# Altium PCB PCB1.PcbDoc (part 2 of 2) (continued)
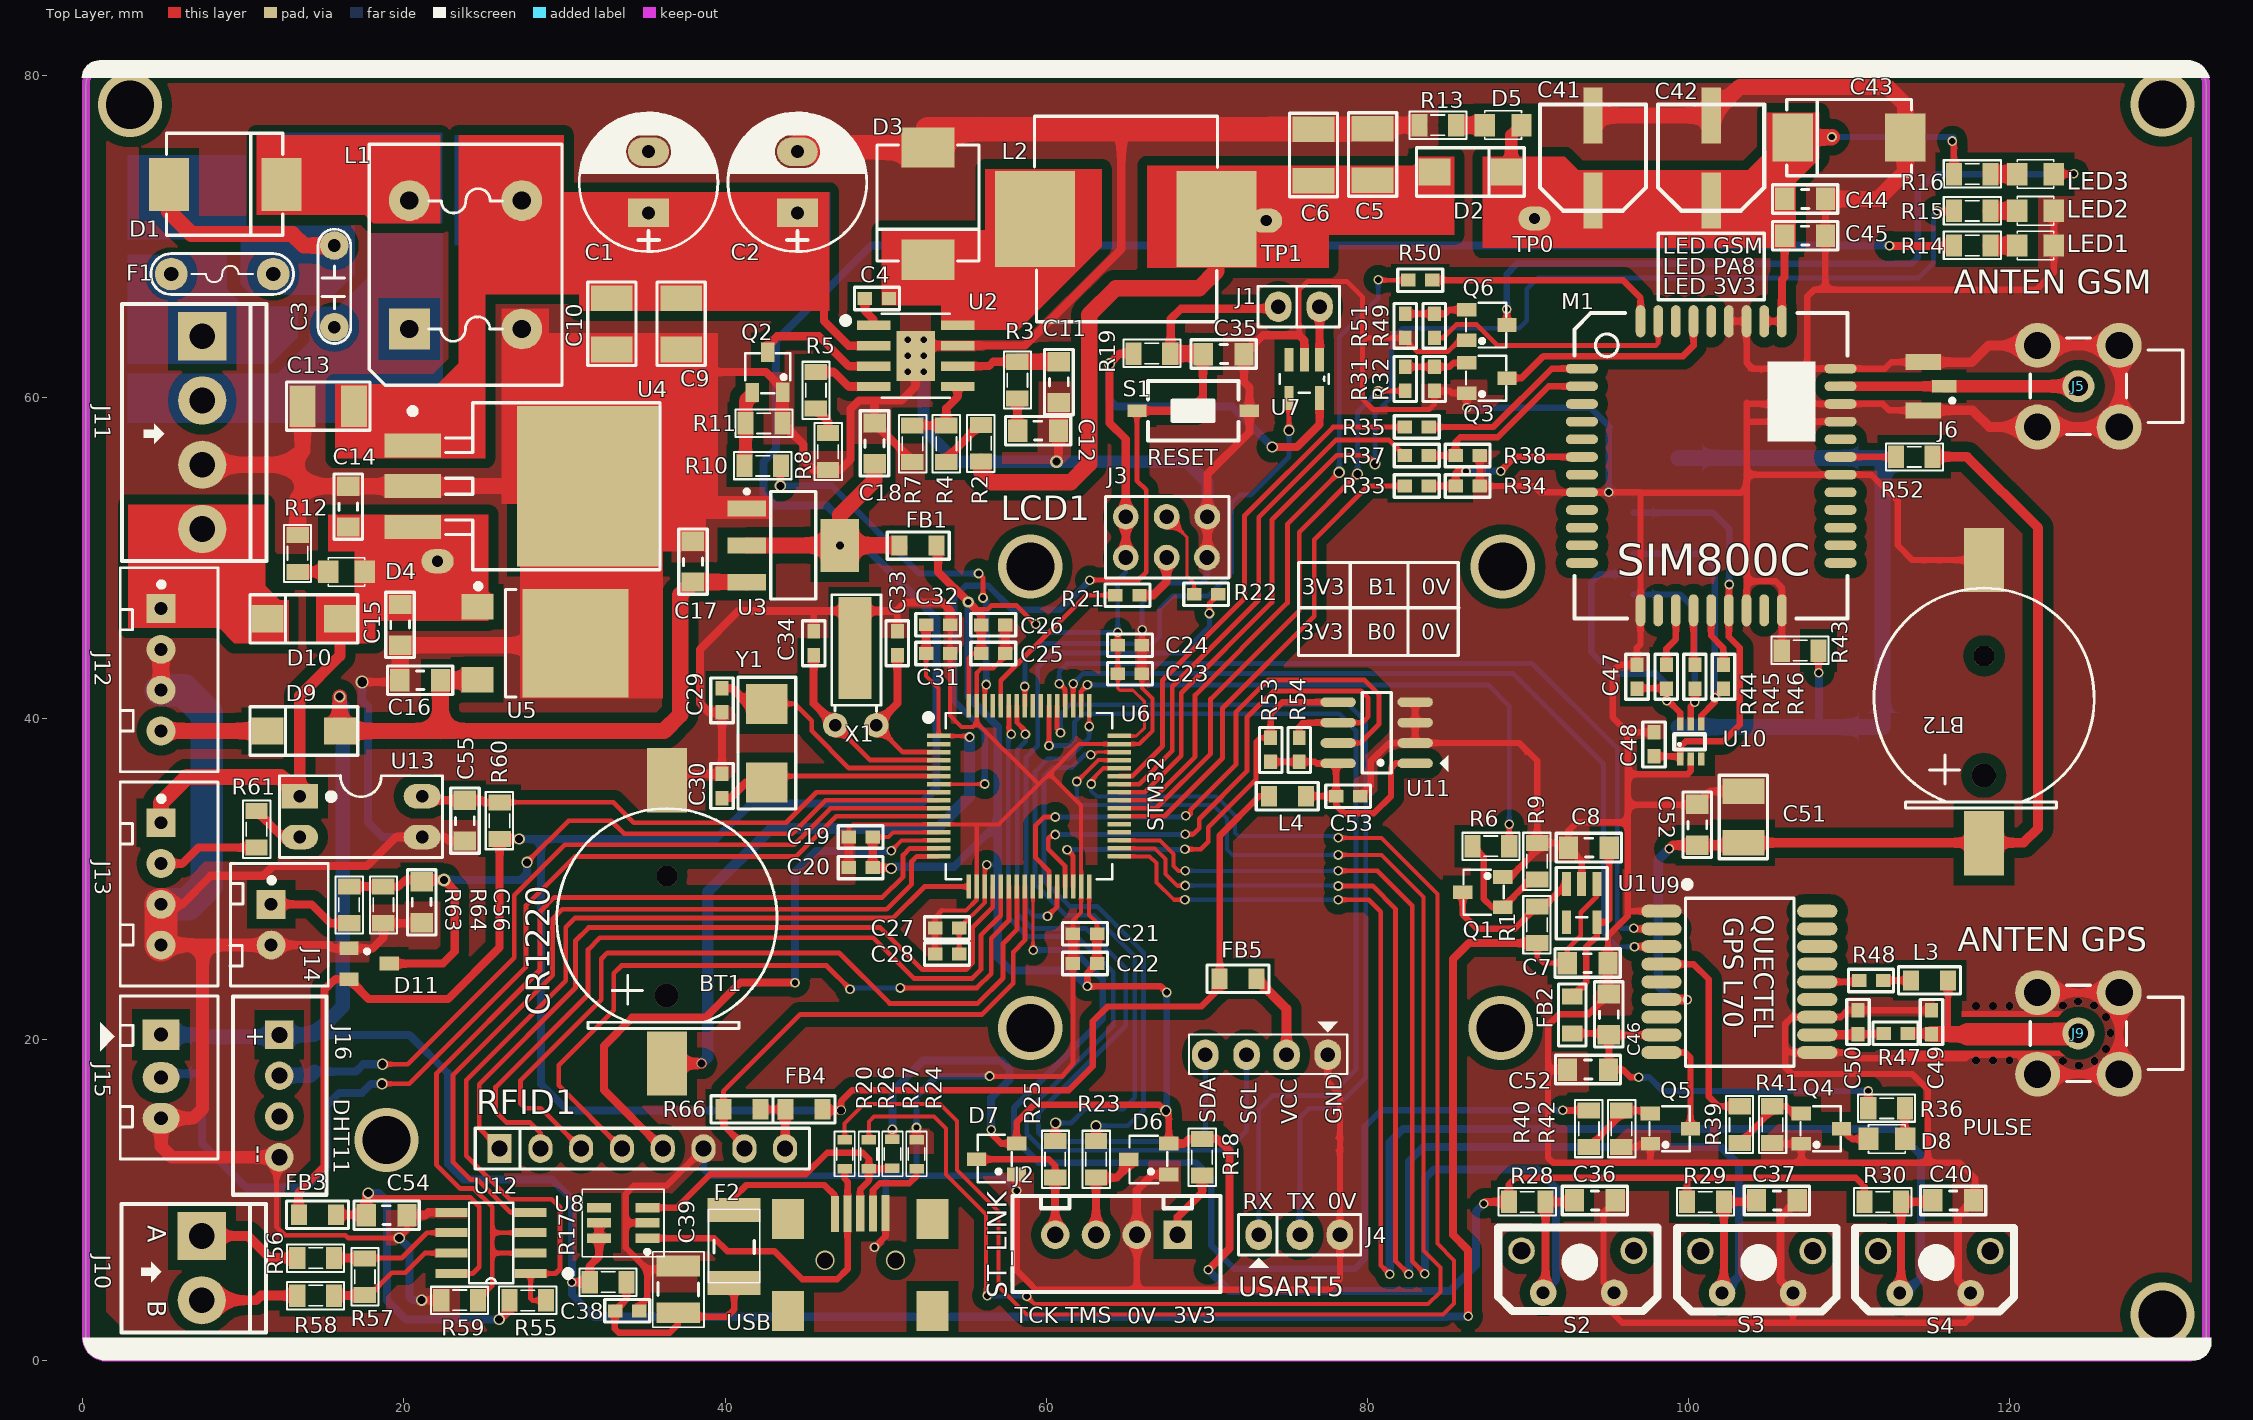
[diagram p0: Top Layer view]
## Nets (pads, with @x,y where several pads share a name; then routed paths per layer and width w, separated by ;. In a path a pad name is that pad's centre, name@x,y a point inside that pad or via, vN(x,y) a via of type N, cw(c..) or ccw(c..) an arc to the next point about the centre after c; other vN are vias at no path point) (continued)
NetC4_1: C4.1 U2.1 | length 1.9
  Top Layer w0.508: C4.1@48.704,66.149 48.704,65.368 49.243,64.829 U2.1@49.243,64.475
NetC4_2: C4.2 D3.2 L2.1 U2.8 | length 17.1
  Top Layer w0.508: C4.2@50.204,66.149 52.629,66.149 ; D3.2@52.629,68.555 52.629,66.149 ; U2.8@54.475,64.475 54.475,65.438 53.765,66.149 52.629,66.149
  Top Layer w1.524: D3.2@52.629,68.555 59.298,68.555 L2.1@59.298,71.095
NetC11_2: C11.2 R3.2 U2.6 | length 6.4
  Top Layer w0.508: U2.6@54.475,61.935 56.423,61.935 56.693,62.205 R3.2@58.191,62.205
  Top Layer w1.016: R3.2@58.191,62.205 C11.2@60.782,62.205
NetC12_2: C12.2 R3.1 | length 1.9
  Top Layer w0.508: R3.1@58.191,59.919 58.191,58.064 C12.2@58.217,58.039
NetC29_1: C29.1 U6.5 Y1.2 | length 15.9
  Top Layer w0.3: Y1.2@42.596,40.906 44.337,40.906 45.39,39.853 45.39,39.218 47.704,36.904 U6.5@53.291,36.904
  Top Layer w0.508: C29.1@39.802,41.873 40.449,41.873 41.416,40.906 Y1.2@42.596,40.906
NetC30_1: C30.1 U6.6 Y1.1 | length 14.2
  Top Layer w0.3: Y1.1@42.596,36.006 42.994,36.404 U6.6@53.291,36.404
  Top Layer w0.508: C30.1@39.675,35.039 C30.1@39.802,35.039 40.322,35.039 41.289,36.006 Y1.1@42.596,36.006
NetC33_1: C33.1 U6.3 X1.1 | length 9.5
  Top Layer w0.3: X1.1@49.378,39.596 X1.1@49.403,39.571 51.07,37.904 U6.3@53.291,37.904
  Top Layer w0.5: X1.1@49.378,39.596 50.724,40.942 C33.1@50.724,43.929
NetC34_1: C34.1 U6.4 X1.2 | length 12.2
  Top Layer w0.3: X1.2@46.838,39.596 X1.2@46.863,39.571 49.03,37.404 U6.4@53.291,37.404
  Top Layer w0.5: C34.1@45.517,43.929 45.517,40.917 X1.2@46.838,39.596
NetC49_2: C49.2 J9.1 L3.1 R47.1 | length 14
  Top Layer w0.4: C49.2@115.063,20.389 C49.2@115.113,20.339 ; L3.1@116.143,23.681 116.143,20.376 116.18,20.339
  Top Layer w0.6: R47.1@113.627,20.389 C49.2@115.063,20.389
  Top Layer w1: C49.2@115.113,20.339 116.18,20.339 117.369,20.339
  Top Layer w1.4: 117.369,20.339 124.207,20.339 J9.1@124.257,20.389
NetC50_2: C50.2 R47.2 U9.11 | length 4.2
  Top Layer w0.4: C50.2@110.498,20.297 C50.2@110.541,20.339 112.077,20.339 R47.2@112.127,20.389
  Top Layer w0.55: U9.11@108.001,20.297 C50.2@110.498,20.297
NetD1_2: D1.2 L1.4 | length 8.4
  Top Layer w1: D1.2@12.37,73.254 19.33,73.254 L1.4@20.341,72.243
NetD4_2: D4.2 R12.2 | length 2.2
  Top Layer w0.635: R12.2@13.056,49.124 13.057,49.122 D4.2@15.28,49.122
NetD5_2: D5.2 R13.2 | length 1.8
  Top Layer w1.016: R13.2@85.522,76.937 D5.2@87.3,76.937
NetD6_3: D6.3 J2.3 R23.1 | length 6.3
  Top Layer w0.5: J2.3@63.094,7.849 R23.1@63.094,11.405 64.389,11.405 65.126,12.141 D6.3@65.126,12.548
NetD7_3: D7.3 J2.4 R25.1 | length 9.4
  Top Layer w0.4: D7.3@55.651,12.548 60.147,12.548 60.554,12.141 R25.1@60.554,11.405
  Top Layer w0.5: J2.4@60.554,7.849 R25.1@60.554,11.405
NetD8_1: D8.1 R36.1 | length 1.9
  Top Layer w0.4: R36.1@113.462,15.723 113.462,13.833 D8.1@113.477,13.818
NetD8_2: D8.2 Q4.2 | length 1.9
  Top Layer w0.4: Q4.2@109.505,14.453 110.14,13.818 D8.2@111.191,13.818
NetF2_1: F2.1 USB.1 | length 8.8
  Top Layer w0.4: F2.1@40.564,9.387 40.564,10.185 41.326,10.947 46.177,10.947 46.838,10.287 USB.1@46.838,9.144
NetJ1_2: J1.2 U7.1 | length 3.3
  Top Layer w0.508: U7.1@77.013,62.332 J1.2@77.013,65.634
NetJ2_1: J2.1 R18.1 | length 4.3
  Top Layer w0.5: J2.1@68.174,7.849 68.174,8.941 69.698,10.465 R18.1@69.698,11.532
NetJ3_2: J3.2 R21.2 | length 3.6
  Top Layer w0.508: R21.2@65.8,47.671 66.67,47.671 67.488,48.489 J3.2@67.488,50.013
NetJ3_5: J3.5 R22.2 | length 5.5
  Top Layer w0.2: J3.5@67.488,52.553 68.758,51.283 68.758,48.87 69.201,48.427 R22.2@69.201,47.727
NetJ7_7: J7.7 R43.1 | length 47
  Top Layer w0.4: R43.1@108.077,44.221 108.077,42.875 v1(108.102,42.85)
  Bottom Layer w0.4: 108.102,39.536 108.179,39.46
  Bottom Layer w0.5: 108.102,39.536 v1(108.102,42.85)
  Bottom Layer w1: J7.7@99.365,39.46 108.179,39.46 J7.7@112.065,39.46 J7.7@112.065,56.224 J7.7@99.365,56.224
NetL3_2: L3.2 R48.1 | length 1.7
  Top Layer w0.4: R48.1@112.103,23.681 L3.2@113.843,23.681
NetLED1_1: LED1.1 R14.1 | length 1.7
  Top Layer w1: R14.1@118.796,69.444 LED1.1@120.447,69.444
NetLED2_1: LED2.1 R15.1 | length 1.7
  Top Layer w1: R15.1@118.796,71.603 LED2.1@120.447,71.603
NetLED3_1: LED3.1 R16.1 | length 1.7
  Top Layer w1: R16.1@118.796,73.889 LED3.1@120.447,73.889
NetM1_15: M1.15 R44.2 | length 3.6
  Top Layer w0.4: R44.2@98.603,43.347 98.603,44.323 99.197,44.917 M1.15@99.197,46.728
NetM1_16: M1.16 R45.2 | length 3.4
  Top Layer w0.4: M1.16@100.297,46.728 100.297,43.431 R45.2@100.381,43.347
NetM1_17: M1.17 R46.2 | length 3.7
  Top Layer w0.4: M1.17@101.397,46.728 101.397,45.136 102.159,44.374 R46.2@102.159,43.347
NetQ1_2: Q1.2 R1.1 U1.3 | length 9.4
  Top Layer w0.4: Q1.2@85.923,29.185 85.923,27.793 86.819,26.897 89.158,26.897 R1.1@90.557,28.296 90.988,28.296 U1.3@92.385,29.693
NetQ1_3: Q1.3 R6.1 R9.2 | length 7.8
  Top Layer w0.4: R6.1@86.538,32.04 87.224,31.355 87.224,28.768 87.757,28.235 Q1.3@88.423,28.235 90.146,29.958 R9.2@90.557,29.958
NetQ2_2: Q2.2 U2.3 | length 8
  Top Layer w0.508: Q2.2@42.647,62.794 42.647,63.207 43.231,63.792 45.835,63.792 47.692,61.935 U2.3@49.243,61.935
NetQ2_3: Q2.3 R10.2 R11.2 | length 4.1
  Top Layer w0.762: R10.2@41.275,56.363 R11.2@41.275,58.369 41.275,59.873 Q2.3@41.697,60.294
NetQ3_3: Q3.3 R31.2 R32.2 | length 3.9
  Top Layer w0.4: R31.2@82.347,61.889 R32.2@84.16,61.889 85.104,61.889 85.354,62.139 Q3.3@86.177,62.139
NetQ4_3: Q4.3 R39.2 R41.2 | length 5.1
  Top Layer w0.4: R39.2@103.175,13.564 105.207,15.596 R41.2@105.207,15.85 106.045,15.85 106.492,15.403 Q4.3@107.005,15.403
NetQ5_3: Q5.3 R40.2 R42.2 | length 5
  Top Layer w0.4: R40.2@93.777,13.31 95.809,15.342 R42.2@95.809,15.596 97.414,15.596 Q5.3@97.607,15.403
NetQ6_3: Q6.3 R49.2 R51.2 | length 3.9
  Top Layer w0.4: R51.2@82.347,65.191 R49.2@84.16,65.191 84.85,65.191 85.1,65.441 Q6.3@86.177,65.441
NetR2_1: R2.1 R4.2 | length 3.1
  Top Layer w0.508: R4.2@53.772,55.956 53.772,56.185 R2.1@55.829,58.242
NetR5_1: R5.1 R8.2 | length 1.8
  Top Layer w0.508: R5.1@45.644,59.284 46.406,58.522 R8.2@46.406,57.76
NetR5_2: R5.2 U2.4 | length 4
  Top Layer w0.508: R5.2@45.644,61.57 46.787,61.57 47.692,60.665 U2.4@49.243,60.665
NetR24_2: R24.2 USB.4 | length 5
  Top Layer w0.4: USB.4@49.2,9.182 49.2,10.617 49.632,11.049 51.46,11.049 51.918,11.506 R24.2@51.918,11.951
NetR48_2: R48.2 U9.14 | length 2.6
  Top Layer w0.4: U9.14@108.001,23.597 110.519,23.597 R48.2@110.603,23.681
NetR56_2: R56.2 R57.2 U12.6 | length 8
  Top Layer w0.3: R57.2@17.54,6.401 19.863,6.401 21.438,7.976 U12.6@22.962,7.976
  Top Layer w0.5: R56.2@15.646,6.401 R57.2@17.54,6.401
NetR57_1: R57.1 R58.2 U12.7 | length 8.4
  Top Layer w0.3: R57.1@17.54,4.064 17.831,4.064 19.253,5.486 20.091,5.486 21.311,6.706 U12.7@22.962,6.706
  Top Layer w0.5: R58.2@15.646,4.064 R57.1@17.54,4.064
NetR61_2: R61.2 U13.2 | length 3.4
  Top Layer w0.5: R61.2@10.82,34.239 12.446,32.614 U13.2@13.513,32.614
NPN_IN: J13.2 R61.1 | length 6.4
  Top Layer w0.5: J13.2@4.877,30.963 6.223,30.963 7.214,31.953 R61.1@10.82,31.953
POWERKEY: M1.39 Q3.2 | length 14
  Top Layer w0.4: Q3.2@88.677,61.189 89.586,61.189 90.957,62.56 99.644,62.56 100.297,63.213 M1.39@100.297,64.728
RFID_IRQ: RFID1.5 U6.14 | length 38.1
  Top Layer w0.25: v1(50.343,31.75) 50.996,32.404 U6.14@53.291,32.404
  Top Layer w0.5: RFID1.5@36.119,13.208 32.461,16.866 32.461,19.609 34.214,21.361 38.76,21.361 40.945,23.546 v1(44.348,23.546)
  Bottom Layer w0.5: v1(44.348,23.546) 44.348,30.455 45.644,31.75 v1(50.343,31.75)
RFID_MISO: RFID1.4 U6.22 | length 44.6
  Top Layer w0.3: RFID1.4@33.579,13.208 29.642,17.145 29.642,18.41 33.071,21.839 33.071,24.13 33.553,24.613 46.304,24.613 v1(47.777,23.139) ; v1(50.902,23.216) 55.677,23.216 56.566,24.105 56.566,26.314 57.667,27.415 U6.22@57.667,29.527
  Bottom Layer w0.3: v1(47.777,23.139) 47.854,23.216 v1(50.902,23.216)
RFID_MOSI: RFID1.3 U6.23 | length 49.2
  Top Layer w0.3: RFID1.3@31.039,13.208 28.524,15.723 27.559,15.723 27.254,16.027 27.254,17.45 32.283,22.479 32.283,25.019 32.664,25.4 47.092,25.4 50.241,22.25 55.728,22.25 57.302,23.825 57.302,25.975 58.167,26.84 U6.23@58.167,29.527
RFID_RST: R66.1 RFID1.7 U6.24 | length 31.5
  Top Layer w0.3: R66.1@39.896,15.661 39.896,16.782 44.679,21.565 56.007,21.565 57.937,23.495 57.937,25.451 58.667,26.18 U6.24@58.667,29.527 ; RFID1.7@41.021,13.386 RFID1.7@41.199,13.208
  Top Layer w0.4: R66.1@39.896,15.661 39.896,14.663 41.199,13.36 RFID1.7@41.199,13.208
RFID_SCK: RFID1.2 U6.21 | length 48.5
  Top Layer w0.3: RFID1.2@28.499,13.208 28.499,14.199 27.864,14.834 26.391,14.834 25.705,15.519 25.705,17.043 31.471,22.809 31.471,25.603 32.207,26.34 49.225,26.34 51.765,23.8 55.363,23.8 55.922,24.359 55.922,26.483 57.167,27.728 U6.21@57.167,29.527
RFID_SS: RFID1.1 U6.20 | length 47.6
  Top Layer w0.3: RFID1.1@25.959,13.208 24.689,14.478 24.689,17.221 30.683,23.216 30.683,26.162 31.496,26.975 49.657,26.975 52.273,24.359 54.996,24.359 55.414,24.776 55.414,26.991 56.667,28.244 U6.20@56.667,29.527
ROM_SCL: R54.2 U6.29 U11.6 | length 36
  Top Layer w0.3: v1(60.554,32.766) 60.376,32.766 60.122,32.512 60.122,31.852 61.167,30.807 U6.29@61.167,29.527 ; v1(68.656,32.791) 69.15,32.791 69.525,33.166 69.525,33.736 72.492,36.703 72.492,40.056 74.148,41.713 79.598,41.713 80.035,41.275 80.035,40.107 79.667,39.739 U11.6@78.169,39.739
  Top Layer w0.4: R54.2@75.743,38.788 75.743,39.472 76.01,39.739 U11.6@78.169,39.739
  Bottom Layer w0.3: v1(60.554,32.766) 68.631,32.766 v1(68.656,32.791)
ROM_SDA: R53.2 U6.30 U11.5 | length 26
  Top Layer w0.3: v1(61.29,31.826) 61.667,31.45 U6.30@61.667,29.527 ; v1(68.631,31.852) 69.621,31.852 70.079,32.309 70.079,33.223 73.046,36.19 73.046,38.552 73.281,38.788 R53.2@73.965,38.788
  Top Layer w0.4: R53.2@73.965,38.788 73.965,40.284 74.689,41.009 U11.5@78.169,41.009
  Bottom Layer w0.3: v1(61.29,31.826) 68.656,31.826 v1(68.631,31.852)
ROM_WP: U6.27 U11.7 | length 36.6
  Top Layer w0.3: U6.27@60.167,29.527 60.167,30.493 59.334,31.326 59.334,33.35 59.837,33.852 60.167,33.852 60.173,33.858 v1(60.554,33.858) ; v1(68.682,33.934) 68.859,33.934 68.971,34.046 68.971,34.274 71.806,37.109 71.806,40.386 73.812,42.393 79.807,42.393 80.721,41.478 80.721,39.649 79.54,38.469 U11.7@78.169,38.469
  Bottom Layer w0.3: v1(60.554,33.858) 68.605,33.858 v1(68.682,33.934)
RS485_DIR: R59.2 U6.15 U12.2 U12.3 | length 61.2
  Top Layer w0.3: R59.2@24.613,3.772 25.502,4.661 25.502,6.706 ; U12.2@27.889,6.706 25.502,6.706 ; U12.3@27.889,7.976 25.502,7.976 ; U6.15@53.291,31.904 51.493,31.904 51.079,31.49 51.079,30.15 49.784,28.854 29.362,28.854 28.473,27.965 28.473,24.333 22.022,17.882 22.022,12.217 23.513,10.726 24.356,10.726 25.502,9.58 25.502,7.976 ; 25.502,6.706 25.502,7.976
RS485_RX: R55.1 U6.17 U12.1 | length 58.4
  Top Layer w0.3: R55.1@28.854,3.759 28.016,3.759 27.889,3.886 U12.1@27.889,5.436 29.439,5.436 29.718,5.715 29.718,9.55 29.21,10.058 26.59,10.058 23.876,12.772 23.876,17.475 30.074,23.673 30.074,27 30.637,27.564 50.449,27.564 52.413,29.527 U6.17@55.123,29.527
RS485_TX: U6.16 U12.4 | length 50.3
  Top Layer w0.3: U12.4@27.889,9.246 26.619,9.246 24.585,11.28 24.153,11.28 23.063,12.37 23.063,17.805 29.261,24.003 29.261,27.508 29.87,28.118 50.063,28.118 51.613,29.667 51.613,31.09 51.927,31.404 U6.16@53.291,31.404
SIM_CLK: J7.6 R45.1 U10.5 | length 12.3
  Top Layer w0.4: U10.5@100.127,39.649 100.127,40.742 v1(100.381,40.996) R45.1@100.381,41.847
  Bottom Layer w0.4: J7.6@96.571,47.715 99.478,47.715 100.381,46.812 v1(100.381,40.996)
SIM_DATA: C47.1 J7.5 R44.1 U10.6 | length 18
  Top Layer w0.4: C47.1@96.774,41.885 98.565,41.885 R44.1@98.603,41.847 v1@98.603,41.224 ; v1@98.679,41.148 99.477,40.35 U10.6@99.477,39.649
  Bottom Layer w0.4: J7.5@96.571,48.985 94.451,48.985 93.929,48.463 93.929,44.12 95.269,42.78 97.957,42.78 98.628,42.109 v1(98.628,41.097)
SIM_RST: J7.4 R46.1 U10.4 | length 16.3
  Top Layer w0.4: U10.4@100.777,39.649 100.777,40.172 101.606,41.002 v1(101.606,41.294) R46.1@102.159,41.847
  Bottom Layer w0.4: J7.4@96.571,50.255 100.799,50.255 101.606,49.448 v1(101.606,41.294)
SIM_VCC: C48.1 J7.2 M1.18 U10.1 | length 25.6
  Top Layer w0.4: C48.1@97.841,37.629 99.317,37.629 U10.1@99.477,37.47 99.477,38.236 99.823,38.583 102.159,38.583 103.175,39.599 103.175,44.399 102.497,45.077 M1.18@102.497,46.728 102.497,48.319 v1(102.514,48.336)
  Bottom Layer w0.4: J7.2@96.571,52.795 101.51,52.795 102.514,51.791 v1(102.514,48.336)
STATUS: M1.42 R50.1 | length 14.9
  Top Layer w0.4: R50.1@84.036,67.285 95.91,67.285 96.997,66.198 M1.42@96.997,64.728
UART1_DTR: M1.6 R33.2 R34.2 | length 10.8
  Top Layer w0.4: R33.2@83.809,54.47 R34.2@85.482,54.47 85.482,55.282 85.598,55.397 v1(86.131,55.397) ; v1(88.29,55.397) 89.171,56.278 M1.6@93.347,56.278
  Bottom Layer w0.4: v1(86.131,55.397) v1(88.29,55.397)
UART1_RXD: M1.2 R37.2 R38.2 | length 11.8
  Top Layer w0.4: R37.2@83.809,56.363 R38.2@85.482,56.363 85.482,57.212 85.776,57.506 88.113,57.506 91.285,60.678 M1.2@93.347,60.678
UART1_TXD: M1.1 R35.2 | length 11
  Top Layer w0.4: R35.2@83.809,58.141 87.833,58.141 91.47,61.778 M1.1@93.347,61.778
USART5_RX: J4.1 U6.54 | length 59.5
  Top Layer w0.3: v1(60.167,38.303) U6.54@60.167,40.78
  Bottom Layer w0.3: v1(60.167,38.303) 61.392,38.303 61.747,38.659 61.747,39.751 62.281,40.284 78.232,40.284 79.273,39.243 79.273,18.136 77.648,16.51 74.093,16.51 73.228,15.645 J4.1@73.228,7.849
USART5_TX: J4.2 U6.53 | length 57.2
  Top Layer w0.3: U6.53@60.667,40.78 60.667,39.333 v1(60.884,39.116)
  Bottom Layer w0.3: v1(60.884,39.116) 60.884,40.259 61.468,40.843 78.816,40.843 79.883,39.776 79.883,17.628 77.983,15.727 76.357,15.727 75.794,15.164 75.794,10.541
  Bottom Layer w0.4: J4.2@75.794,7.849 75.794,10.541
USB_D+: R26.2 R27.1 U8.3 USB.3 | length 20.5
  Top Layer w0.4: U8.3@35.155,9.535 36.993,9.535 39.065,11.608 45.009,11.608 46.355,12.954 48.565,12.954 48.946,12.573 R26.2@48.946,11.951 ; USB.3@48.412,9.169 48.412,10.668 48.946,11.202 R26.2@48.946,11.951 ; R27.1@50.419,11.989 50.381,11.951 R26.2@48.946,11.951
USB_D-: R20.2 U8.1 USB.2 | length 20.1
  Top Layer w0.4: U8.1@35.155,7.635 39.329,7.635 40.132,6.833 43.053,6.833 44.806,5.08 46.99,5.08 47.625,5.715 USB.2@47.625,9.157 47.625,11.151 47.447,11.328 R20.2@47.447,11.951
USB_DM: R20.1 U6.44 | length 103.4
  Top Layer w0.25: R20.1@47.447,13.767 47.447,14.783 48.641,15.977 53.391,15.977 54.432,14.935 54.432,11.888 57.023,9.297 57.023,4.623 58.776,2.87 84.684,2.87 85.395,3.581 85.395,6.248 84.353,7.29 84.353,29.07 80.861,32.563 v1(78.181,32.563) ; v1(62.789,35.916) 62.789,36.119 63.574,36.904 U6.44@64.543,36.904
  Bottom Layer w0.25: v1(62.789,35.916) 62.789,35.48 63.144,35.124 70.592,35.124 71.751,33.965 71.751,32.872 71.958,32.664 78.283,32.664 v1(78.181,32.563)
USB_DP: R26.1 U6.45 | length 101.2
  Top Layer w0.25: R26.1@48.946,13.767 48.946,14.884 49.276,15.215 53.01,15.215 53.746,14.478 53.746,11.597 56.236,9.107 56.236,4.14 v1(56.312,4.064) ; v1(58.776,4.013) 59.258,3.531 83.769,3.531 84.531,4.293 84.531,5.817 83.49,6.858 83.49,28.88 80.874,31.496 v1(78.185,31.496) ; v1(61.9,36.068) 63.235,37.404 U6.45@64.543,37.404
  Bottom Layer w0.25: v1(56.312,4.064) 56.363,4.013 v1(58.776,4.013) ; v1(61.9,36.068) 61.9,34.925 62.205,34.62 70.383,34.62 71.247,33.757 71.247,31.826 71.577,31.496 v1(78.185,31.496)
USER_B1: C40.1 R30.1 S4.1 U6.33 | length 100.6
  Top Layer w0.25: U6.33@64.543,31.404 66.437,31.404 66.853,30.988 66.853,29.794 67.94,28.707 v1(68.631,28.707)
  Top Layer w0.3: v1(78.181,28.702) 80.086,28.702 80.823,27.965 80.823,5.944 v1(81.382,5.385)
  Top Layer w0.5: S4.1@113.132,4.216 113.22,4.305 R30.1@113.22,9.895 115.102,9.895 C40.1@115.189,9.982
  Bottom Layer w0.25: v1(68.631,28.707) 78.176,28.707 v1(78.181,28.702)
  Bottom Layer w0.5: v1(81.382,5.385) 81.382,13.614 82.194,14.427 112.827,14.427 114.452,12.802 114.452,5.156 113.513,4.216 S4.1@113.132,4.216
USER_B2: C37.1 R29.1 S3.1 U6.34 | length 87
  Top Layer w0.25: U6.34@64.543,31.904 66.75,31.904 67.412,31.242 67.412,30.302 68.123,29.591 v1(68.656,29.591)
  Top Layer w0.3: v1(78.185,29.566) 80.315,29.566 81.737,28.143 81.737,6.223 v1(82.575,5.385)
  Top Layer w0.5: S3.1@102.072,4.216 102.184,4.328 R29.1@102.184,9.895 104.129,9.895 C37.1@104.216,9.982
  Bottom Layer w0.25: v1(68.656,29.591) 78.159,29.591 v1(78.185,29.566)
  Bottom Layer w0.5: v1(82.575,5.385) 82.575,12.421 83.464,13.31 102.006,13.31 103.124,12.192 103.124,5.268 S3.1@102.072,4.216
USER_B3: C36.1 R28.1 S2.1 U6.35 | length 72.9
  Top Layer w0.25: U6.35@64.543,32.404 67.063,32.404 67.92,31.547 67.92,30.807 68.224,30.502 68.653,30.502 v1(68.653,30.509)
  Top Layer w0.3: v1(78.185,30.509) 80.616,30.509 82.779,28.346 82.779,6.198 v1(83.566,5.41)
  Top Layer w0.5: S2.1@90.932,4.242 91.084,4.394 R28.1@91.084,9.895 92.801,9.895 C36.1@92.888,9.982
  Bottom Layer w0.25: v1(68.653,30.509) v1(78.185,30.509) v1@78.279,30.509
  Bottom Layer w0.5: v1(83.566,5.41) 83.566,11.354 84.125,11.913 90.576,11.913 91.745,10.744 91.745,5.055 S2.1@90.932,4.242
USER_LED: R15.2 U6.41 | length 79.6
  Top Layer w0.3: U6.41@64.543,35.404 66.138,35.404 68.402,37.668 68.402,41.58 74.045,47.223 74.045,52.353 78.08,56.388 79.934,56.388 v2(80.467,55.855) ; v1(115.468,71.603) R15.2@116.51,71.603
  Bottom Layer w0.3: v2(80.467,55.855) 80.467,58.99 80.483,58.99 81.483,59.99 81.483,63.602 82.169,64.287 89.447,64.287 89.916,64.757 89.916,66.736 90.592,67.412 114.275,67.412 115.24,68.377 115.24,71.374 v1(115.468,71.603)
V_BCKP: BT2.1 C51.2 C52.2@100.533,32.106 R52.2 U9.6 | length 63.2
  Top Layer w0.6: U9.6@98.301,22.497 99.881,22.497 v1(99.898,22.479) ; v1(98.781,31.877) 99.009,32.106 C52.2@100.533,32.106 103.251,32.106 C51.2@103.403,32.258 120.854,32.258 121.742,33.147 121.742,51.877 117.333,56.286 R52.2@115.189,56.286
  Bottom Layer w0.6: v1(98.781,31.877) 98.095,31.191 98.095,23.368 98.984,22.479 v1(99.898,22.479)
VBAT: BT1.1 C31.2 C32.2 U6.1 | length 44.7
  Top Layer w0.254: C31.2@52.514,44.044 52.514,42.647 53.291,41.87 U6.1@53.291,38.904 55.153,38.904 v1(55.22,38.837)
  Top Layer w0.508: C31.2@52.514,44.044 C32.2@52.514,45.83
  Top Layer w0.7: BT1.1@36.373,18.517 v6(38.532,18.517)
  Bottom Layer w0.7: v6(38.532,18.517) 38.913,18.898 38.913,29.185 42.875,33.147 53.213,33.147 55.22,35.154 v1(55.22,38.837)
VIN_BAT: J14.1 R63.1 | length 5.3
  Top Layer w0.5: J14.1@11.735,28.423 14.249,28.423 15.429,27.243 R63.1@16.586,27.243
VRTC: M1.28 R52.1 | length 3.5
  Top Layer w0.4: M1.28@109.447,56.278 112.894,56.278 R52.1@112.903,56.286
pads on no net: J7.3 J16.3 M1.3 M1.4 M1.5 M1.7 M1.9 M1.10 M1.11 M1.12 M1.14 M1.20 M1.22 M1.23 M1.24 M1.25 M1.26 M1.29 M1.38 M1.40 S2.0 S3.0 S4.0 U1.4 U4.4 U6.2 U6.26 U6.36 U6.37 U6.55 U6.56 U6.61 U7.3 U8.4 U9.5 U9.7 U9.13 U9.15 U9.16 U9.17 U9.18 U10.3 USB.0 X1.3
copper on no net:
  other v4: 129.489,2.87 18.923,13.741 59.004,20.726 88.29,20.726 59.004,49.454 88.417,49.454 2.946,78.207 129.489,78.232
  other v5: 46.212,6.259 50.612,6.259
  other v8: 36.373,30.175 118.389,43.891
  other v9: 36.347,22.733 118.364,36.449

## Polygon pours and split planes (outlines as drawn)
no net on Bottom Overlay "Bottom Overlay-No Net" (solid): 0,2.311 0,1.372 ccw(c1.321,1.372) 1.321,0.051 131.216,0.051 ccw(c131.216,1.321) 132.486,1.321 132.486,2.311
no net on Bottom Overlay "Bottom Overlay-No Net" (solid): 132.436,78.715 132.436,79.654 ccw(c131.115,79.654) 131.115,80.975 1.219,80.975 ccw(c1.219,79.705) -0.051,79.705 -0.051,78.715
GND on Bottom Layer "BOT_GND" (solid, remove dead copper, pour order 0): 2.769,79.477 132.207,79.477 132.207,1.473 2.769,1.473 2.769,75.743
GND on Top Layer "TOP_GND" (solid, remove dead copper, pour order 2): 1.473,79.553 132.207,79.553 132.207,3.378 130.632,1.803 2.718,1.803 1.473,3.048

## Keep-outs
Keep-Out Layer:
  lines w0.5: 0.203,1.473 ccw(c1.473,1.473) 1.473,0.203 2.413,0.203 131.039,0.203 ccw(c131.039,1.372) 132.207,1.372 132.207,79.477 ccw(c130.937,79.477) 130.937,80.747 2.159,80.747 1.473,80.747 ccw(c1.473,79.477) 0.203,79.477 0.203,78.791 0.203,2.413 0.203,1.473

## Other copper
Top Layer:
  region net GND: 123.401,18.993 123.114,19.28 ccw(c123.056,19.221) 123.056,19.304 113.132,19.304 113.132,18.993
  region net GND: 123.401,18.993
  region: 122.961,19.391
  region net GND: 123.401,18.993
  region net GND: 123.331,21.755 123.01,21.434 116.985,21.434 116.985,21.755
  region: 116.865,19.493
  region net +4V2: 66.294,74.397 83.109,74.397 83.109,74.955 85.395,74.955 85.395,70.104 77.572,70.104 77.572,68.047 66.294,68.047
  region net +4V_GSM: 92.278,74.955 93.116,74.117 103.657,74.117 104.877,75.336 104.877,77.699 108.128,77.699 108.128,74.854 106.655,73.381 106.655,69.291 87.173,69.291 87.173,74.955
  region net NetC4_2: 53.442,65.735 49.759,65.735 49.759,70.383 56.21,70.383 56.21,74.193 63.449,74.193 63.449,69.367 58.268,64.186 55.804,64.186 53.442,64.186
  region net GND: 36.119,41.25 36.119,50.394 38.786,50.394 38.786,52.426 42.723,52.426 42.723,53.823 39.548,53.823 39.548,63.983 29.007,63.983 29.007,65.507 26.086,65.507 26.086,53.364 27.229,53.324 27.229,41.25
  region net +VIN: 25.07,56.21 15.735,56.21 15.735,59.665 15.735,60.808 22.101,60.808 23.419,62.125 23.419,76.302 29.954,76.302 29.954,72.746 46.469,72.746 46.469,65.38 30.912,65.38 30.912,66.421 25.07,66.421
  region net NetD1_2: 10.846,76.302 10.846,71.349 17.577,71.349 18.085,70.841 22.276,70.841 22.276,76.302
  region net +12V_OUTPUT: 2.845,53.315 11.354,53.315 11.354,48.272 12.28,47.346 12.815,47.346 12.815,44.679 9.449,44.679 8.496,45.631 2.845,45.631
  region net +12V: 15.291,52.68 25.26,52.68 25.26,46.076 18.212,46.076 18.212,44.679 14.529,44.679 14.529,47.727 16.942,47.727 16.942,50.394 15.291,50.394
Bottom Layer:
  region net NetC3_2: 2.794,75.057 10.185,75.057 10.185,76.454 10.185,70.688 16.942,70.688 16.942,67.666 15.646,66.37 10.49,66.37 9.83,67.031 9.83,69.825 2.794,69.825
  region net NetD1_2: 10.871,76.454 22.377,76.454 22.377,70.841 18.288,70.841 17.704,71.425 10.871,71.425
  region net +VIN: 23.165,76.302 29.896,76.302 29.896,72.746 46.533,72.746 46.533,69.444 23.165,69.444
  region net GND_INPUT: 2.794,61.443 12.116,61.443 14.149,63.476 14.149,65.634 15.926,65.634 17.704,67.412 17.704,70.206 22.403,70.206 22.403,58.395 2.794,58.395
  region net +VDC_INPUT: 2.794,68.859 8.966,68.859 8.966,66.751 10.084,65.634 13.386,65.634 13.386,63.729 11.735,62.078 2.794,62.078

## Silkscreen, mask and mechanical layers (free items; w line width, h text height)
Top Overlay:
  circle w0.4: c99.901,29.667 r0.2
  circle w0.4: c52.657,40.056 r0.2
  circle w0.4: c47.501,64.77 r0.2
  circle w0.4: c30.226,5.436 r0.2
  region: 132.544,1.422 0.018,1.422 ccw(c1.415,1.422) 1.415,0.025 131.438,0.025 ccw(c131.438,1.118) 132.53,1.118
  region: -0.051,79.883 132.427,79.883 ccw(c131.064,79.578) 131.064,80.975 1.041,80.975 ccw(c1.041,79.883)
  region: 4.877,78.791
  lines w0.15: 24.052,9.842 24.052,4.839 26.799,4.839 26.799,9.842 ; 55.728,12.04 55.728,11.125 57.404,11.125 ; 55.728,13.106 55.728,14.072 57.404,14.072 ; 57.836,12.141 57.836,12.979 ; 65.176,11.938 65.176,11.049 65.253,11.049 66.98,11.049 ; 65.176,13.31 65.176,14.021 66.954,14.021 ; 67.539,12.141 67.539,12.979 ; 68.885,17.856 68.885,20.32 78.74,20.32 78.74,17.856 68.885,17.856
  lines w0.2: 61.163,4.293 64.414,4.293 ; 75.692,46.888 85.674,46.888 ; 78.842,49.708 78.918,49.708 78.918,43.917 ; 82.525,43.917 82.525,49.708 ; 75.692,43.917 75.692,49.708 85.649,49.708 85.649,43.917 75.692,43.917 ; 98.095,66.065 98.095,70.206 104.699,70.206 104.699,66.065 98.095,66.065
  text "TP0" at 89.052,69.037 h1
  text "LED GSM" at 98.374,68.936 h1
  text "TP1" at 73.381,68.47 h1
  text "LED PA8" at 98.374,67.666 h1
  text "ANTEN GSM" at 116.51,66.446 h1.5
  text "LED 3V3" at 98.374,66.396 h1
  text "RESET" at 66.269,55.753 h1
  text "3V3" at 75.895,47.701 h1
  text "B1" at 80.035,47.701 h1
  text "0V" at 83.388,47.701 h1
  text "3V3" at 75.844,44.882 h1
  text "B0" at 79.985,44.882 h1
  text "0V" at 83.337,44.882 h1
  text "STM32" at 67.31,32.969 h1 r90
  text "QUECTEL" at 104.064,27.762 h1.2 r270
  text "GPS L70" at 102.184,27.61 h1.2 r270
  text "ANTEN GPS" at 116.738,25.502 h1.5
  text "CR1220" at 29.083,21.488 h1.5 r90
  text "+" at 9.855,20.828 h2 r270
  text "DHT11" at 15.646,16.332 h1 r270
  text "SDA" at 70.561,14.794 h1 r90
  text "SCL" at 73.101,14.737 h1 r90
  text "VCC" at 75.616,14.737 h1 r90
  text "GND" at 78.384,14.732 h1 r90
  text "PULSE" at 117.069,14.046 h1
  text "--" at 10.058,13.411 h2 r270
  text "RX" at 72.238,9.449 h1
  text "TX" at 75.006,9.449 h1
  text "0V" at 77.521,9.449 h1
  text "A" at 3.632,8.433 h2 r270
  text "USART5" at 71.958,4.013 h1.2
  text "ST_LINK" at 57.531,3.886 h1.2 r90
  text "B" at 3.632,3.759 h2 r270
  text "TCK" at 58.039,2.337 h1
  text "TMS" at 61.163,2.337 h1
  text "3V3" at 67.894,2.337 h1
  text "0V" at 65.024,2.311 h1
Bottom Overlay:
  drawing of 1608 lines, arcs and shapes, not listed
  text "GIAM SAT MAY CONG TRINH" at 127.787,73.076 h4
  text "DESIGN BY TRANMANH V1.3" at 127.787,68.783 h4
  text "24V" at 3.658,62.332 h1 r270
  text "V_IN" at 10.159,60.071 h1 r270
  text "0V" at 3.658,58.776 h1 r270
  text "0V" at 3.658,55.016 h1 r270
  text "V_OUT" at 10.135,51.257 h1 r270
  text "TP3" at 23.241,50.8 h1
  text "12V" at 3.658,50.241 h1 r270
  text "12V" at 2.692,45.999 h1 r270
  text "0V" at 2.616,42.113 h1 r270
  text "VCC OUTPUT" at 9.398,38.049 h1 r270
  text "5V" at 2.616,37.922 h1 r270
  text "+" at 2.515,33.147 h2 r270
  text "--" at 2.642,26.467 h2 r270
  text "NPN SENSOR" at 0.584,24.867 h1 r270
  text "--BAT+" at 13.335,24.359 h1 r270
  text "+" at 2.515,19.812 h2 r270
  text "--" at 2.616,14.427 h2 r270
  text "DS18B20" at 0.61,14.148 h1 r270
  text "RS485" at 9.5,3.15 h1 r270

## Text inside footprints (layer, text, board x,y; h text height)
U2: Mechanical 1 "*" at 49.108,65.27 h0.79
U6: Mechanical 1 "*" at 54.243,39.154 h0.79
U12: Mechanical 1 "*" at 28.118,4.597 h0.79 r180